# Allegro board SDHCalFEB20180110.brd (continued)
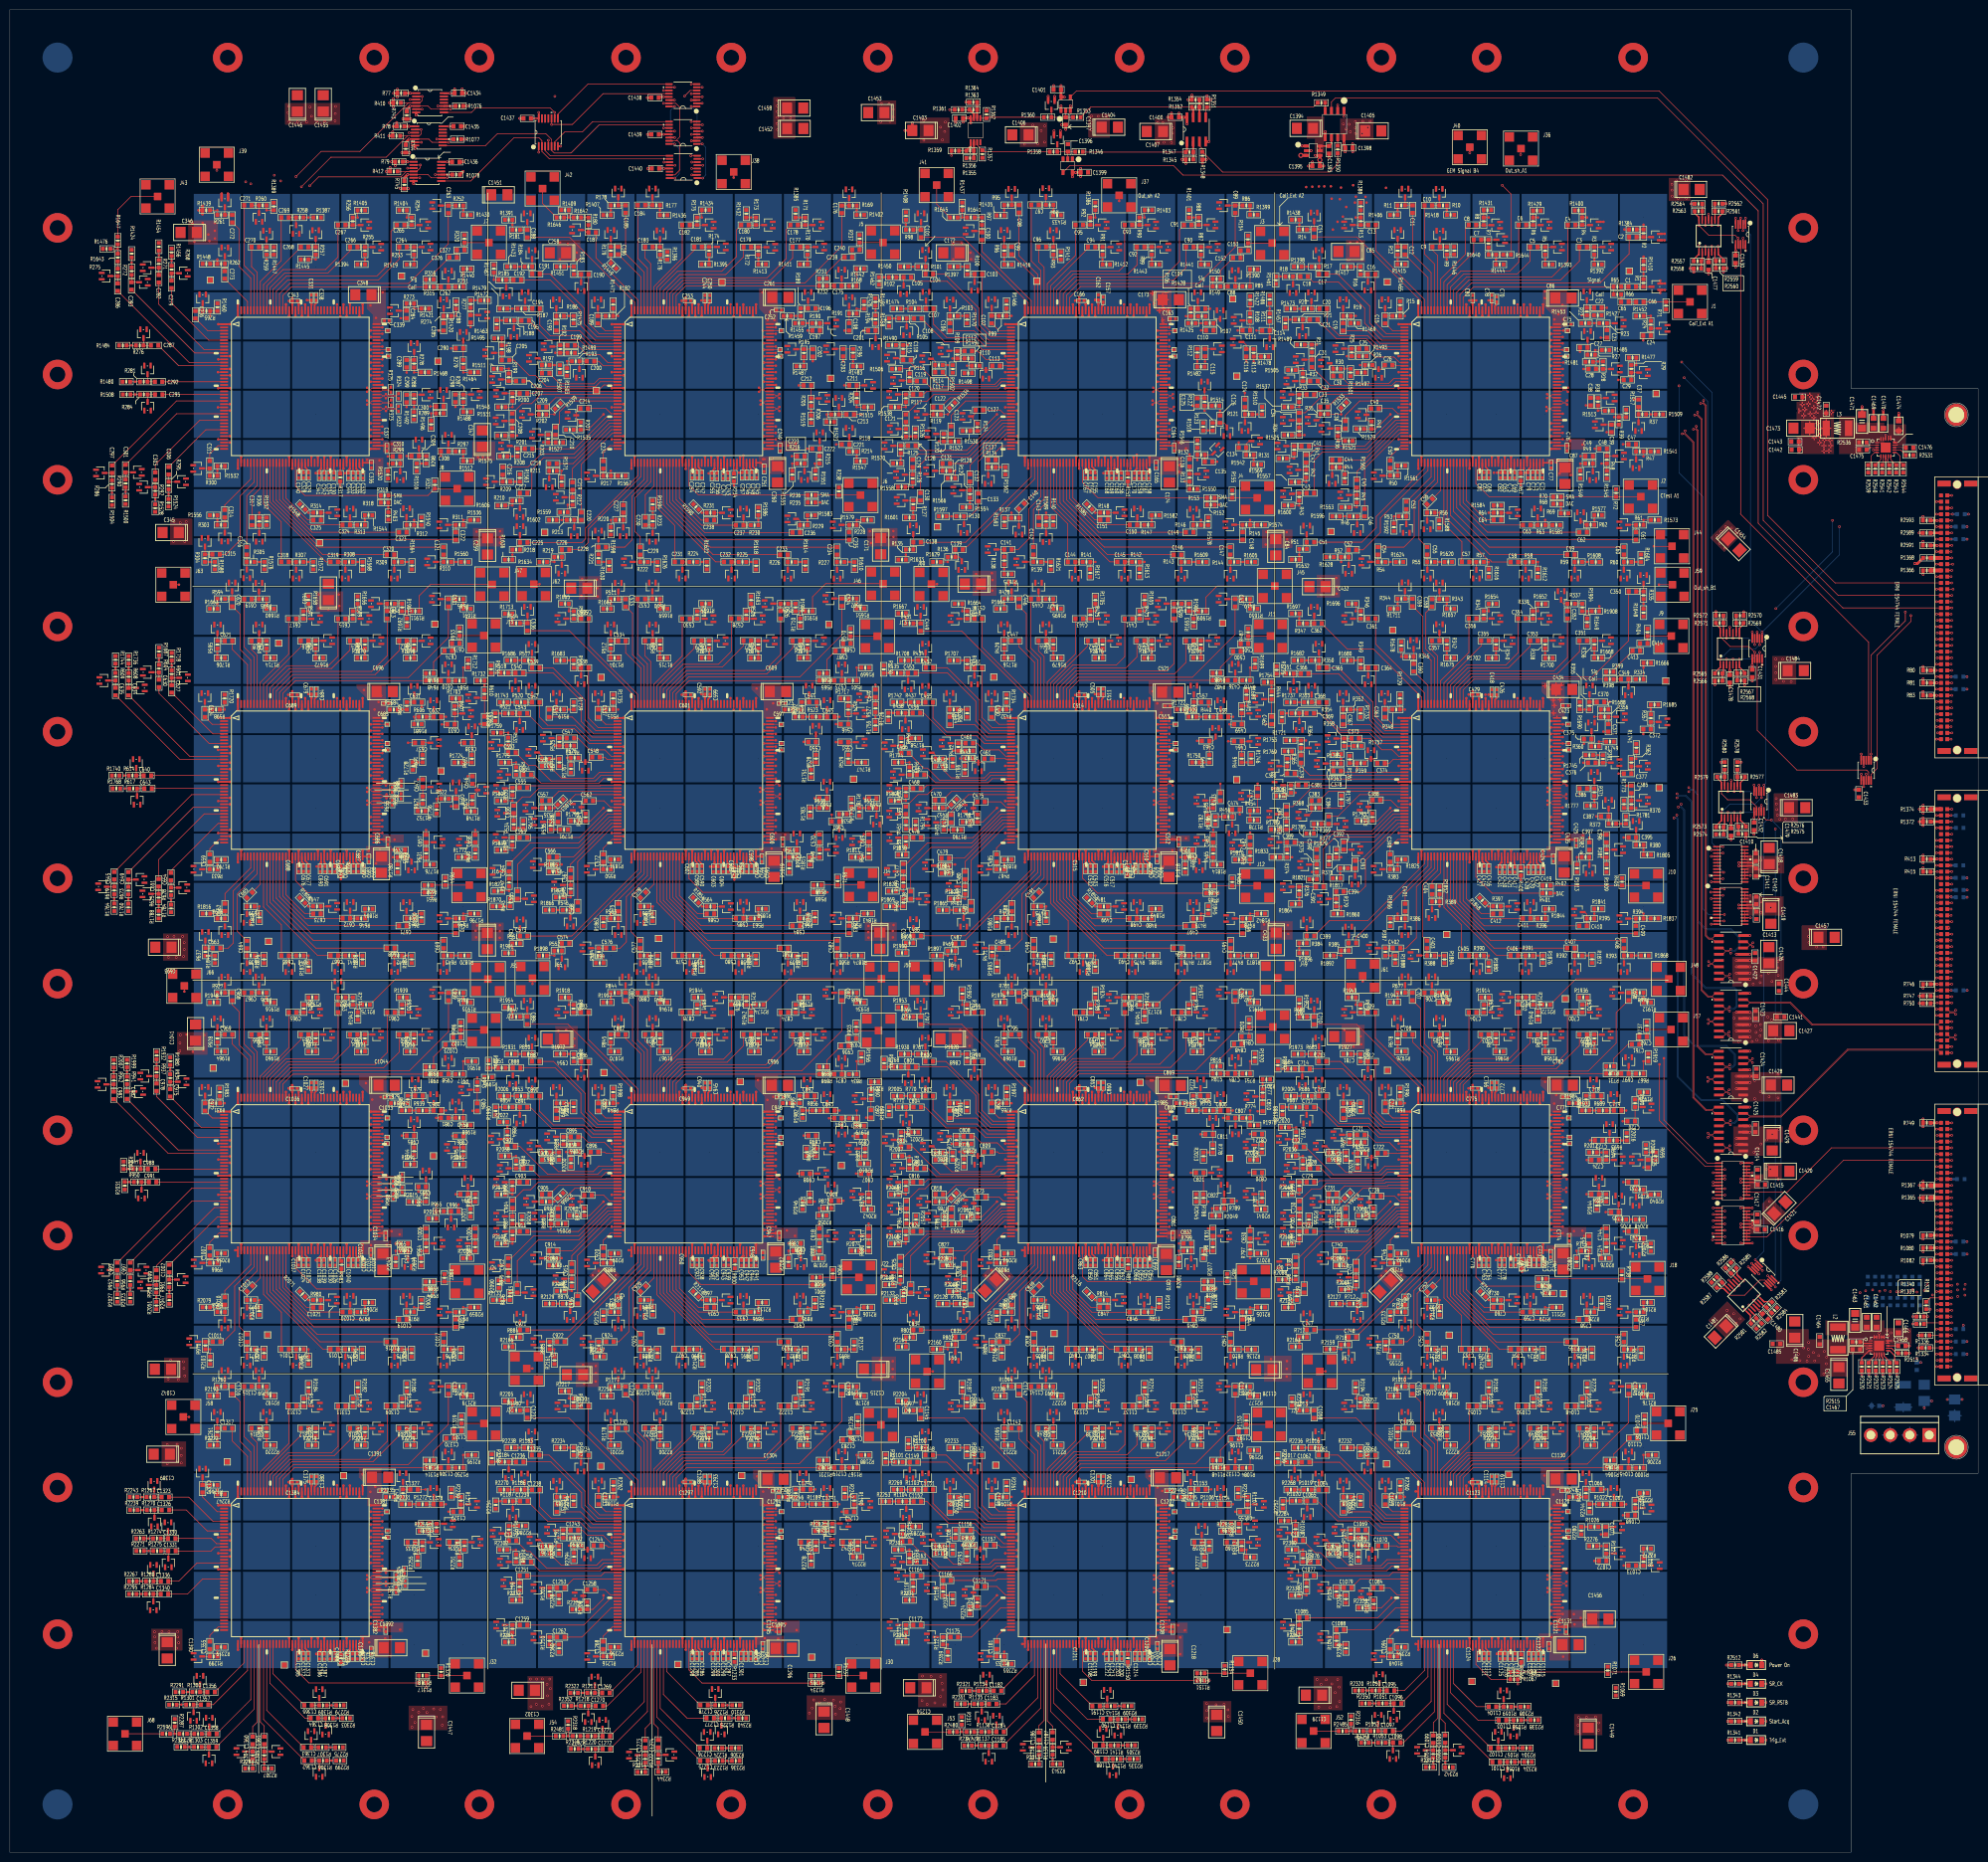
[diagram p0: board, top side]
## Routing (per net, layer and track width the routed paths; a pad name or vN(x,y) marks a point on that pad's centre or on a via; arc(x,y) is an arc through that point) (continued)
ANALOGIN4_ASIC_D1: length 37.8
  TOP w0.127: U845.149 293.57,76.88 296.75,80.06 315.24,80.06 316.74,81.56 C1048.2
ANALOGIN4_ASIC_D2: length 36.5
  TOP w0.127: C1135.2 236.73,83.49 233.45,80.21 217.14,80.21 213.56,76.63 U910.149
ANALOGIN4_ASIC_D3: length 36.6
  TOP w0.127: U975.149 133.55,76.91 136.73,80.09 153.24,80.09 156.74,83.59 C1222.2
ANALOGIN4_ASIC_D4: length 36.4
  TOP w0.127: U1040.149 53.54,76.42 56.95,79.83 73.1,79.83 76.73,83.46 C1309.2
ANALOGIN5_ASIC_A1: length 26
  TOP w0.127: U65.150 292.92,313.35 292.92,318.01 295.58,320.68 306.48,320.68 309.13,323.33 C5.2
ANALOGIN5_ASIC_A2: length 26.1
  TOP w0.127: C92.2 229.18,322.53 227.33,320.68 216.18,320.68 212.91,317.4 U130.150
ANALOGIN5_ASIC_A3: length 25.1
  TOP w0.127: U195.150 132.9,317.3 136.19,320.6 145.57,320.6 149.2,324.23 C179.2
ANALOGIN5_ASIC_A4: length 24.7
  TOP w0.127: C266.2 69.16,325.4 64.72,320.95 55.93,320.95 52.89,317.91 U260.150
ANALOGIN5_ASIC_B1: length 24.5
  TOP w0.127: C353.2 309.17,245.08 304.72,240.64 296.42,240.64 292.92,237.14 U325.150
ANALOGIN5_ASIC_B5: length 25.8
  TOP w0.127: C440.2 229.18,242.9 226.92,240.64 216.43,240.64 212.91,237.11 U390.150
ANALOGIN5_ASIC_B6: length 24
  TOP w0.127: C527.2 149.17,245.14 144.88,240.84 137.36,240.84 132.9,236.38 132.9,233.33 U455.150
ANALOGIN5_ASIC_B7: length 24.6
  TOP w0.127: C614.2 69.16,244.3 65.41,240.54 56.82,240.54 52.89,236.61 U520.150
ANALOGIN5_ASIC_C1: length 24.6
  TOP w0.127: U585.150 292.92,156.75 296.62,160.45 305.18,160.45 309.17,164.44 C701.2
ANALOGIN5_ASIC_C2: length 26.3
  TOP w0.127: C788.2 229.18,162.1 227.76,160.68 216.38,160.68 212.91,157.21 U650.150
ANALOGIN5_ASIC_C3: length 25.4
  TOP w0.127: C875.2 149.17,163.86 145.85,160.53 135.92,160.53 132.9,157.51 U715.150
ANALOGIN5_ASIC_C4: length 25.2
  TOP w0.127: U780.150 52.89,157.13 56.39,160.63 65.94,160.63 69.16,163.86 C962.2
ANALOGIN5_ASIC_D1: length 25.1
  TOP w0.127: U845.150 292.92,77.07 296.52,80.67 305.89,80.67 309.17,83.95 C1049.2
ANALOGIN5_ASIC_D2: length 25.7
  TOP w0.127: C1136.2 229.18,82.78 227.2,80.8 216.79,80.8 212.91,76.92 U910.150
ANALOGIN5_ASIC_D3: length 24.6
  TOP w0.127: C1223.2 149.17,84.76 145.14,80.72 136.55,80.72 132.9,77.07 U975.150
ANALOGIN5_ASIC_D4: length 24.9
  TOP w0.127: U1040.150 52.89,76.66 56.77,80.54 65.94,80.54 69.19,83.79 C1310.2
ANALOGIN6_ASIC_A1: length 29.2
  TOP w0.127: U65.151 292.27,318.53 295.02,321.28 304.98,321.28 306.82,323.13 C6.2
ANALOGIN6_ASIC_A2: length 29
  TOP w0.127: U130.151 212.26,317.74 215.85,321.34 225.55,321.34 226.69,322.48 C93.2
ANALOGIN6_ASIC_A3: length 29.4
  TOP w0.127: C180.2 148.72,330.63 147.75,329.67 147.75,324.26 144.75,321.26 135.74,321.26 132.25,317.77 U195.151
ANALOGIN6_ASIC_A4: length 28.4
  TOP w0.127: U260.151 52.24,318.3 55.55,321.61 64.19,321.61 66.73,324.15 C267.2
ANALOGIN6_ASIC_B1: length 28
  TOP w0.127: C354.2 306.7,243.76 304.17,241.22 296.16,241.22 292.27,237.33 U325.151
ANALOGIN6_ASIC_B5: length 28.5
  TOP w0.127: C441.2 226.72,242.98 224.97,241.22 216.1,241.22 212.26,237.38 U390.151
ANALOGIN6_ASIC_B6: length 27.5
  TOP w0.127: U455.151 132.25,236.77 136.88,241.4 144.07,241.4 146.71,244.04 C528.2
ANALOGIN6_ASIC_B7: length 28.3
  TOP w0.127: U520.151 52.24,237.02 56.34,241.12 64.8,241.12 66.73,243.05 C615.2
ANALOGIN6_ASIC_C1: length 28.3
  TOP w0.127: U585.151 292.27,157.01 296.55,161.29 304.9,161.29 306.75,163.14 C702.2
ANALOGIN6_ASIC_C2: length 28.1
  TOP w0.127: U650.151 212.26,157.37 216.18,161.29 224.28,161.29 226.74,163.75 C789.2
ANALOGIN6_ASIC_C3: length 28.9
  TOP w0.127: U715.151 132.25,157.7 135.69,161.14 145.11,161.14 146.73,162.76 C876.2
ANALOGIN6_ASIC_C4: length 28.9
  TOP w0.127: C963.2 66.75,162.43 65.56,161.24 56.11,161.24 52.24,157.37 U780.151
ANALOGIN6_ASIC_D1: length 28.7
  TOP w0.127: C1050.2 306.76,82.6 305.31,81.15 296.21,81.15 292.27,77.21 U845.151
ANALOGIN6_ASIC_D2: length 28.6
  TOP w0.127: U910.151 212.26,77.26 216.38,81.38 225.3,81.38 226.75,82.83 C1137.2
ANALOGIN6_ASIC_D3: length 28.4
  TOP w0.127: C1224.2 146.74,83.16 144.91,81.33 136.25,81.33 132.25,77.33 U975.151
ANALOGIN6_ASIC_D4: length 28.6
  TOP w0.127: U1040.151 52.24,76.88 56.49,81.13 65.41,81.13 66.75,82.47 C1311.2
ANALOGIN7_ASIC_A1: length 16.8
  TOP w0.127: C7.2 297.68,325.18 291.62,319.13 U65.152
ANALOGIN7_ASIC_A2: length 16
  TOP w0.127: C94.2 219.2,325.88 211.61,318.29 U130.152
ANALOGIN7_ASIC_A3: length 16
  TOP w0.127: U195.152 131.6,317.98 139.19,325.58 C181.2
ANALOGIN7_ASIC_A4: length 16
  TOP w0.127: U260.152 51.59,318.57 59.18,326.16 C268.2
ANALOGIN7_ASIC_B1: length 16
  TOP w0.127: U325.152 291.62,237.59 299.19,245.16 C355.2
ANALOGIN7_ASIC_B5: length 16
  TOP w0.127: U390.152 211.61,237.54 219.18,245.11 C442.2
ANALOGIN7_ASIC_B6: length 16
  TOP w0.127: C529.2 139.14,244.6 131.6,237.06 U455.152
ANALOGIN7_ASIC_B7: length 16
  TOP w0.127: C616.2 59.16,244.91 51.59,237.34 U520.152
ANALOGIN7_ASIC_C1: length 16
  TOP w0.127: U585.152 291.62,157.23 299.16,164.77 C703.2
ANALOGIN7_ASIC_C2: length 16
  TOP w0.127: C790.2 219.18,165.07 211.61,157.51 U650.152
ANALOGIN7_ASIC_C3: length 16
  TOP w0.127: U715.152 131.6,157.89 139.17,165.46 C877.2
ANALOGIN7_ASIC_C4: length 16
  TOP w0.127: C964.2 59.18,165.13 51.59,157.53 U780.152
ANALOGIN7_ASIC_D1: length 16
  TOP w0.127: C1051.2 299.19,84.99 291.62,77.42 U845.152
ANALOGIN7_ASIC_D2: length 16
  TOP w0.127: U910.152 211.61,77.6 219.18,85.17 C1138.2
ANALOGIN7_ASIC_D3: length 16
  TOP w0.127: U975.152 131.6,77.57 139.17,85.14 C1225.2
ANALOGIN7_ASIC_D4: length 16
  TOP w0.127: U1040.152 51.59,77.09 59.18,84.68 C1312.2
ANALOGIN8_ASIC_A1: length 19.7
  TOP w0.127: C8.2 295.99,330.01 295.99,324.74 290.97,319.72 U65.153
ANALOGIN8_ASIC_A2: length 19.7
  TOP w0.127: U130.153 210.96,318.75 216.71,324.51 C95.2
ANALOGIN8_ASIC_A3: length 19.7
  TOP w0.127: C182.2 136.73,323.9 130.95,318.12 U195.153
ANALOGIN8_ASIC_A4: length 20.6
  TOP w0.127: U260.153 50.94,319.19 55.19,323.44 C269.2
ANALOGIN8_ASIC_B1: length 19.7
  TOP w0.127: C356.2 296.7,243.81 290.97,238.09 U325.153
ANALOGIN8_ASIC_B5: length 19.7
  TOP w0.127: U390.153 210.96,237.78 216.69,243.51 C443.2
ANALOGIN8_ASIC_B6: length 19.7
  TOP w0.127: C530.2 136.73,243.1 130.95,237.32 U455.153
ANALOGIN8_ASIC_B7: length 19.7
  TOP w0.127: U520.153 50.94,237.7 56.69,243.46 C617.2
ANALOGIN8_ASIC_C1: length 19.7
  TOP w0.127: U585.153 290.97,157.39 296.7,163.12 C704.2
ANALOGIN8_ASIC_C2: length 19.8
  TOP w0.127: C791.2 216.76,163.53 210.96,157.72 U650.153
ANALOGIN8_ASIC_C3: length 19.8
  TOP w0.127: C878.2 136.73,163.88 130.95,158.1 U715.153
ANALOGIN8_ASIC_C4: length 19.7
  TOP w0.127: C965.2 56.74,163.5 50.94,157.69 U780.153
ANALOGIN8_ASIC_D1: length 19.7
  TOP w0.127: C1052.2 296.75,83.52 290.97,77.74 U845.153
ANALOGIN8_ASIC_D2: length 19.8
  TOP w0.127: U910.153 210.96,77.86 216.74,83.64 C1139.2
ANALOGIN8_ASIC_D3: length 19.8
  TOP w0.127: C1226.2 136.73,83.62 130.95,77.84 U975.153
ANALOGIN8_ASIC_D4: length 19.8
  TOP w0.127: U1040.153 50.94,77.25 56.74,83.06 C1313.2
ANALOGIN9_ASIC_A1: length 13.3
  TOP w0.127: C9.2 289.27,325.59 290.32,324.54 U65.154
ANALOGIN9_ASIC_A2: length 13.3
  TOP w0.127: C96.2 209.19,323.19 210.31,322.08 U130.154
ANALOGIN9_ASIC_A3: length 13.3
  TOP w0.127: U195.154 130.3,322.81 129.18,323.93 C183.2
ANALOGIN9_ASIC_A4: length 13.3
  TOP w0.127: C270.2 49.15,322.2 50.29,321.06 U260.154
ANALOGIN9_ASIC_B1: length 13.3
  TOP w0.127: C357.2 289.18,244.27 290.32,243.13 U325.154
ANALOGIN9_ASIC_B5: length 13.3
  TOP w0.127: U390.154 210.31,242.98 209.17,244.12 C444.2
ANALOGIN9_ASIC_B6: length 13.3
  TOP w0.127: U455.154 130.3,241.97 129.18,243.08 C531.2
ANALOGIN9_ASIC_B7: length 13.3
  TOP w0.127: U520.154 50.29,243.26 49.17,244.37 C618.2
ANALOGIN9_ASIC_C1: length 13.3
  TOP w0.127: C705.2 289.18,163.88 290.32,162.74 U585.154
ANALOGIN9_ASIC_C2: length 13.3
  TOP w0.127: U650.154 210.31,163.5 209.17,164.64 C792.2
ANALOGIN9_ASIC_C3: length 13.3
  TOP w0.127: C879.2 129.18,164.77 130.3,163.66 U715.154
ANALOGIN9_ASIC_C4: length 13.3
  TOP w0.127: C966.2 49.17,163.75 50.29,162.64 U780.154
ANALOGIN9_ASIC_D1: length 13.3
  TOP w0.127: U845.154 290.32,83.54 289.18,84.68 C1053.2
ANALOGIN9_ASIC_D2: length 13.3
  TOP w0.127: C1140.2 209.17,84.58 210.31,83.44 U910.154
ANALOGIN9_ASIC_D3: length 13.3
  TOP w0.127: C1227.2 129.18,84.84 130.3,83.72 U975.154
ANALOGIN9_ASIC_D4: length 13.3
  TOP w0.127: C1314.2 49.17,84.34 50.29,83.21 U1040.154
ANALOGIN10_ASIC_A1: length 22.1
  TOP w0.127: C10.2 287.67,324.78 289.67,322.78 U65.155
ANALOGIN10_ASIC_A2: length 22.2
  TOP w0.127: C97.2 207.7,323.37 209.66,321.41 U130.155
ANALOGIN10_ASIC_A3: length 22.2
  TOP w0.127: C184.2 127.69,323.88 129.65,321.92 U195.155
ANALOGIN10_ASIC_A4: length 22.2
  TOP w0.127: C271.2 47.65,322.45 49.64,320.47 U260.155
ANALOGIN10_ASIC_B1: length 21
  TOP w0.127: U325.155 289.67,242.74 287.93,244.47 287.93,251.9 289.16,253.12 C358.2
ANALOGIN10_ASIC_B5: length 22.2
  TOP w0.127: C445.2 207.65,244.68 209.66,242.67 U390.155
ANALOGIN10_ASIC_B6: length 22.2
  TOP w0.127: C532.2 127.66,243.46 129.65,241.47 U455.155
ANALOGIN10_ASIC_B7: length 22.1
  TOP w0.127: U520.155 49.64,242.9 47.65,244.88 C619.2
ANALOGIN10_ASIC_C1: length 22.2
  TOP w0.127: U585.155 289.67,162.27 287.65,164.29 C706.2
ANALOGIN10_ASIC_C2: length 22.2
  TOP w0.127: C793.2 207.67,165.15 209.66,163.16 U650.155
ANALOGIN10_ASIC_C3: length 22.2
  TOP w0.127: C880.2 127.66,165 129.65,163.01 U715.155
ANALOGIN10_ASIC_C4: length 22.2
  TOP w0.127: C967.2 47.65,164.21 49.64,162.22 U780.155
ANALOGIN10_ASIC_D1: length 22.1
  TOP w0.127: U845.155 289.67,82.95 287.65,84.96 C1054.2
ANALOGIN10_ASIC_D2: length 22.2
  TOP w0.127: U910.155 209.66,82.64 207.67,84.63 C1141.2
ANALOGIN10_ASIC_D3: length 22.2
  TOP w0.127: U975.155 129.65,83.48 127.66,85.47 C1228.2
ANALOGIN10_ASIC_D4: length 22.2
  TOP w0.127: U1040.155 49.64,82.44 47.65,84.43 C1315.2
ANALOGIN11_ASIC_A1: length 21.4
  TOP w0.127: U65.156 289.02,320.99 285.25,324.76 C11.2
ANALOGIN11_ASIC_A2: length 21.4
  TOP w0.127: C98.2 205.22,324.42 209.01,320.63 U130.156
ANALOGIN11_ASIC_A3: length 21.4
  TOP w0.127: C185.2 125.21,324.85 129,321.07 U195.156
ANALOGIN11_ASIC_A4: length 19.4
  TOP w0.127: U260.156 48.99,319.87 46.58,322.28 46.58,329.87 45.26,331.19 C272.2
ANALOGIN11_ASIC_B1: length 21.5
  TOP w0.127: U325.156 289.02,242.2 287.32,243.89 287.32,251.11 285.25,253.19 C359.2
ANALOGIN11_ASIC_B5: length 21.4
  TOP w0.127: C446.2 205.24,253.16 206.71,251.7 206.71,244.58 209.01,242.27 U390.156
ANALOGIN11_ASIC_B6: length 21.4
  TOP w0.127: U455.156 129,240.98 126.62,243.36 126.62,251.75 125.26,253.11 C533.2
ANALOGIN11_ASIC_B7: length 21.4
  TOP w0.127: U520.156 48.99,242.25 46.84,244.4 46.84,251.57 45.25,253.16 C620.2
ANALOGIN11_ASIC_C1: length 21.4
  TOP w0.127: U585.156 289.02,161.81 286.84,163.98 286.84,171.5 C707.2
ANALOGIN11_ASIC_C2: length 21.4
  TOP w0.127: C794.2 205.24,173.13 207.09,171.28 207.09,164.72 209.01,162.8 U650.156
ANALOGIN11_ASIC_C3: length 21.4
  TOP w0.127: C881.2 125.25,173.13 126.62,171.77 126.62,164.95 129,162.57 U715.156
ANALOGIN11_ASIC_C4: length 21.3
  TOP w0.127: C968.2 45.23,172.19 46.66,170.76 46.66,164.03 48.99,161.71 U780.156
ANALOGIN11_ASIC_D1: length 21.4
  TOP w0.127: U845.156 289.02,82.2 286.94,84.28 286.94,91.42 285.25,93.12 C1055.2
ANALOGIN11_ASIC_D2: length 21.4
  TOP w0.127: C1142.2 205.24,93.12 206.86,91.5 206.86,83.67 209.01,81.52 U910.156
ANALOGIN11_ASIC_D3: length 21.4
  TOP w0.127: U975.156 129,83.19 126.95,85.24 126.95,91.4 125.26,93.09 C1229.2
ANALOGIN11_ASIC_D4: length 21.4
  TOP w0.127: U1040.156 48.99,81.31 46.79,83.52 46.79,91.58 45.25,93.12 C1316.2
ANALOGIN12_ASIC_A1: length 13.3
  TOP w0.127: U65.157 288.37,319.99 C12.2
ANALOGIN12_ASIC_A2: length 13.3
  TOP w0.127: U130.157 208.36,320.08 C99.2
ANALOGIN12_ASIC_A3: length 13.3
  TOP w0.127: U195.157 128.35,320.09 123.72,324.71 C186.2
ANALOGIN12_ASIC_A4: length 8.3
  TOP w0.127: U260.157 48.34,315.12 C273.2
ANALOGIN12_ASIC_B1: length 7.8
  TOP w0.127: C360.2 285.5,239.95 288.37,237.09 U325.157
ANALOGIN12_ASIC_B5: length 14.2
  TOP w0.127: U390.157 208.36,241.78 205.23,244.91 C447.2
ANALOGIN12_ASIC_B6: length 14.1
  TOP w0.127: U455.157 128.35,240.61 125.22,243.74 C534.2
ANALOGIN12_ASIC_B7: length 14.1
  TOP w0.127: C621.2 45.24,244.42 48.34,241.32 U520.157
ANALOGIN12_ASIC_C1: length 14.1
  TOP w0.127: U585.157 288.37,161.52 285.24,164.64 C708.2
ANALOGIN12_ASIC_C2: length 14.1
  TOP w0.127: C795.2 205.23,165.33 208.36,162.2 U650.157
ANALOGIN12_ASIC_C3: length 14.1
  TOP w0.127: U715.157 128.35,162.23 125.22,165.35 C882.2
ANALOGIN12_ASIC_C4: length 14.1
  TOP w0.127: C969.2 45.24,164.24 48.34,161.14 U780.157
ANALOGIN12_ASIC_D1: length 14.1
  TOP w0.127: C1056.2 285.22,84.61 288.37,81.45 U845.157
ANALOGIN12_ASIC_D2: length 14.1
  TOP w0.127: C1143.2 205.23,83.97 208.36,80.85 U910.157
ANALOGIN12_ASIC_D3: length 14.1
  TOP w0.127: U975.157 128.35,82.22 125.22,85.34 C1230.2
ANALOGIN12_ASIC_D4: length 14.1
  TOP w0.127: U1040.157 48.34,80.44 45.21,83.57 C1317.2
ANALOGIN13_ASIC_A1: length 21.5
  TOP w0.127: U65.158 287.72,315.48 277.76,325.44 C13.2
ANALOGIN13_ASIC_A2: length 18.5
  TOP w0.127: U130.158 207.71,315.28 197.68,325.31 C100.2
ANALOGIN13_ASIC_A3: length 19.4
  TOP w0.127: C187.2 119.18,324 127.7,315.48 U195.158
ANALOGIN13_ASIC_B1: length 21.5
  TOP w0.127: C361.2 277.72,245.52 287.72,235.52 U325.158
ANALOGIN13_ASIC_B5: length 21.5
  TOP w0.127: U390.158 207.71,234.89 197.69,244.91 C448.2
ANALOGIN13_ASIC_B6: length 21.5
  TOP w0.127: U455.158 127.7,235.27 117.7,245.26 C535.2
ANALOGIN13_ASIC_C1: length 21.5
  TOP w0.127: U585.158 287.72,155.41 277.67,165.46 C709.2
ANALOGIN13_ASIC_C2: length 21.5
  TOP w0.127: U650.158 207.71,155.31 197.66,165.35 C796.2
ANALOGIN13_ASIC_C3: length 21.5
  TOP w0.127: U715.158 127.7,155.11 117.65,165.15 C883.2
ANALOGIN13_ASIC_D1: length 21.5
  TOP w0.127: U845.158 287.72,75.07 277.65,85.14 C1057.2
ANALOGIN13_ASIC_D2: length 21.5
  TOP w0.127: U910.158 207.71,75.63 197.66,85.67 C1144.2
ANALOGIN13_ASIC_D3: length 21.5
  TOP w0.127: U975.158 127.7,75.6 117.65,85.65 C1231.2
ANALOGIN14_ASIC_A1: length 29
  TOP w0.127: U65.159 287.07,315.09 273.9,328.26 C14.2
ANALOGIN14_ASIC_A2: length 28.8
  TOP w0.127: C101.2 193.8,328.17 207.06,314.91 U130.159
ANALOGIN14_ASIC_A3: length 28.9
  TOP w0.127: U195.159 127.05,314.96 113.87,328.14 C188.2
ANALOGIN14_ASIC_B1: length 27.9
  TOP w0.127: C362.2 271.93,244.53 277.27,244.53 287.07,234.72 U325.159
ANALOGIN14_ASIC_B5: length 28.8
  TOP w0.127: U390.159 207.06,234.65 193.52,248.18 C449.2
ANALOGIN14_ASIC_B6: length 28.9
  TOP w0.127: C536.2 113.77,248.23 127.05,234.95 U455.159
ANALOGIN14_ASIC_C1: length 29
  TOP w0.127: U585.159 287.07,155.04 273.89,168.22 C710.2
ANALOGIN14_ASIC_C2: length 28.8
  TOP w0.127: C797.2 193.57,168.22 207.06,154.74 U650.159
ANALOGIN14_ASIC_C3: length 28.8
  TOP w0.127: U715.159 127.05,154.69 113.49,168.25 C884.2
ANALOGIN14_ASIC_D1: length 29
  TOP w0.127: C1058.2 273.76,88.24 287.07,74.93 U845.159
ANALOGIN14_ASIC_D2: length 29.1
  TOP w0.127: C1145.2 194.03,88.24 207.06,75.21 U910.159
ANALOGIN14_ASIC_D3: length 28.9
  TOP w0.127: C1232.2 113.64,88.27 127.05,74.86 U975.159
ANALOGIN15_ASIC_A1: length 4.5
  TOP w0.127: C15.2 279.7,310.68 281.16,309.22 U65.3
ANALOGIN15_ASIC_A2: length 4.5
  TOP w0.127: U130.3 201.13,309.22 C102.2
ANALOGIN15_ASIC_A3: length 4.6
  TOP w0.127: C189.2 121.02,309.22 U195.3
ANALOGIN15_ASIC_A4: length 6.9
  TOP w0.127: C276.2 40.19,309.22 U260.3
ANALOGIN15_ASIC_B1: length 4.6
  TOP w0.127: C363.2 279.66,230.68 281.14,229.21 U325.3
ANALOGIN15_ASIC_B5: length 4.6
  TOP w0.127: C450.2 201.11,229.21 U390.3
ANALOGIN15_ASIC_B6: length 4.5
  TOP w0.127: U455.3 121.15,229.21 C537.2
ANALOGIN15_ASIC_B7: length 4.5
  TOP w0.127: C624.2 41.14,229.21 U520.3
ANALOGIN15_ASIC_C1: length 4.5
  TOP w0.127: C711.2 281.17,149.2 U585.3
ANALOGIN15_ASIC_C2: length 4.5
  TOP w0.127: C798.2 201.14,149.2 U650.3
ANALOGIN15_ASIC_C3: length 4.5
  TOP w0.127: U715.3 121.15,149.2 C885.2
ANALOGIN15_ASIC_C4: length 4.5
  TOP w0.127: U780.3 41.17,149.2 C972.2
ANALOGIN15_ASIC_D1: length 4.5
  TOP w0.127: U845.3 281.17,69.19 C1059.2
ANALOGIN15_ASIC_D2: length 4.5
  TOP w0.127: U910.3 201.16,69.19 C1146.2
ANALOGIN15_ASIC_D3: length 4.5
  TOP w0.127: C1233.2 121.21,69.19 U975.3
ANALOGIN15_ASIC_D4: length 6.5
  TOP w0.127: U1040.3 42.16,69.19 39.19,72.17 C1320.2
ANALOGIN16_ASIC_A1: length 16.7
  TOP w0.127: U65.4 279.92,308.57 277.66,310.83 C16.2
ANALOGIN16_ASIC_A2: length 16.7
  TOP w0.127: U130.4 199.84,308.57 197.71,310.69 C103.2
ANALOGIN16_ASIC_A3: length 16.7
  TOP w0.127: U195.4 119.83,308.57 117.68,310.72 C190.2
ANALOGIN16_ASIC_B1: length 16.7
  TOP w0.127: C364.2 277.74,230.75 279.92,228.56 U325.4
ANALOGIN16_ASIC_B5: length 16.8
  TOP w0.127: C451.2 197.69,230.58 199.71,228.56 U390.4
ANALOGIN16_ASIC_B6: length 16.9
  TOP w0.127: U455.4 119.6,228.56 117.68,230.48 C538.2
ANALOGIN16_ASIC_C1: length 16.8
  TOP w0.127: U585.4 279.8,148.55 277.67,150.67 C712.2
ANALOGIN16_ASIC_C2: length 16.7
  TOP w0.127: U650.4 199.89,148.55 197.66,150.77 C799.2
ANALOGIN16_ASIC_C3: length 16.8
  TOP w0.127: C886.2 117.68,150.65 119.78,148.55 U715.4
ANALOGIN16_ASIC_D1: length 16.7
  TOP w0.127: C1060.2 277.65,70.82 279.92,68.54 U845.4
ANALOGIN16_ASIC_D2: length 16.9
  TOP w0.127: C1147.2 197.66,70.51 199.63,68.54 U910.4
ANALOGIN16_ASIC_D3: length 16.7
  TOP w0.127: U975.4 119.93,68.54 117.65,70.82 C1234.2
ANALOGIN17_ASIC_A1: length 23.2
  TOP w0.127: C17.2 270,320.7 276.5,314.2 276.5,310.77 279.35,307.92 U65.5
ANALOGIN17_ASIC_A2: length 23.2
  TOP w0.127: C104.2 190.13,320.71 197.08,313.77 197.08,310.34 199.5,307.92 U130.5
ANALOGIN17_ASIC_A3: length 23
  TOP w0.127: C191.2 109.82,320.74 116.79,313.77 116.79,310.57 119.44,307.92 U195.5
ANALOGIN17_ASIC_B1: length 23.1
  TOP w0.127: U325.5 279.63,227.91 277.14,230.4 277.14,233.73 270.16,240.71 C365.2
ANALOGIN17_ASIC_B5: length 23.5
  TOP w0.127: U390.5 199.4,227.91 197.18,230.12 197.18,234.14 190.61,240.71 C452.2
ANALOGIN17_ASIC_B6: length 23.5
  TOP w0.127: U455.5 119.16,227.91 117.04,230.02 117.04,234.09 110.44,240.69 C539.2
ANALOGIN17_ASIC_C1: length 23.5
  TOP w0.127: U585.5 279.43,147.9 276.99,150.34 276.99,154.28 270.56,160.7 C713.2
ANALOGIN17_ASIC_C2: length 23.2
  TOP w0.127: U650.5 199.65,147.9 197,150.55 197,154.03 190.33,160.7 C800.2
ANALOGIN17_ASIC_C3: length 23.4
  TOP w0.127: U715.5 119.54,147.9 117.02,150.42 117.02,154.2 110.52,160.7 C887.2
ANALOGIN17_ASIC_D1: length 23.1
  TOP w0.127: C1061.2 270.11,80.69 277.01,73.79 277.01,70.56 279.68,67.89 U845.5
ANALOGIN17_ASIC_D2: length 23.5
  TOP w0.127: C1148.2 190.43,80.69 196.93,74.19 196.93,70.23 199.27,67.89 U910.5
ANALOGIN17_ASIC_D3: length 22.9
  TOP w0.127: C1235.2 109.66,80.69 116.94,73.41 116.94,70.51 119.56,67.89 U975.5
ANALOGIN18_ASIC_A1: length 26.8
  TOP w0.127: C18.2 263.94,320.17 265.01,319.1 270.15,319.1 275.49,313.77 275.49,310.72 278.94,307.27 U65.6
ANALOGIN18_ASIC_A2: length 27.7
  TOP w0.127: U130.6 199.05,307.27 196.39,309.93 196.39,313.44 190.6,319.23 184.05,319.23 183.26,320.01 C105.2
ANALOGIN18_ASIC_A3: length 26.5
  TOP w0.127: U195.6 122.58,307.27 122.57,307.26 119.02,307.26 116.08,310.21 116.08,313.31 109.87,319.52 C192.2
ANALOGIN18_ASIC_A4: length 16.8
  TOP w0.127: U260.6 40.43,307.27 32.88,314.82 C279.2
ANALOGIN18_ASIC_B1: length 26.4
  TOP w0.127: U325.6 279.34,227.26 276.5,230.1 276.5,233.17 270.18,239.49 C366.2
ANALOGIN18_ASIC_B5: length 26.9
  TOP w0.127: U390.6 199.03,227.26 196.42,229.87 196.42,233.88 190.68,239.62 C453.2
ANALOGIN18_ASIC_B6: length 26.8
  TOP w0.127: U455.6 118.71,227.26 116.15,229.82 116.15,233.98 110.49,239.64 C540.2
ANALOGIN18_ASIC_B7: length 14.1
  TOP w0.127: U520.6 41.29,227.26 C627.2
ANALOGIN18_ASIC_C1: length 26.4
  TOP w0.127: U585.6 279.22,147.25 276.33,150.14 276.33,153.92 271.07,159.18 C714.2
ANALOGIN18_ASIC_C2: length 26.6
  TOP w0.127: U650.6 199.38,147.25 196.42,150.22 196.42,153.8 190.63,159.58 C801.2
ANALOGIN18_ASIC_C3: length 27.1
  TOP w0.127: C888.2 110.93,159.38 116.13,154.18 116.13,150.32 119.2,147.25 U715.6
ANALOGIN18_ASIC_C4: length 13.6
  TOP w0.127: U780.6 38.94,147.25 32.65,153.54 C975.2
ANALOGIN18_ASIC_D1: length 26.1
  TOP w0.127: U845.6 279.45,67.24 276.53,70.15 276.53,73.15 270.44,79.24 C1062.2
ANALOGIN18_ASIC_D2: length 26.2
  TOP w0.127: U910.6 198.85,67.24 196.19,69.9 196.19,73.61 190.53,79.27 C1149.2
ANALOGIN18_ASIC_D3: length 25.8
  TOP w0.127: U975.6 119.17,67.24 116.28,70.13 116.28,73.05 110.02,79.31 C1236.2
ANALOGIN18_ASIC_D4: length 13.2
  TOP w0.127: U1040.6 41.29,67.24 36.39,72.15 C1323.2
ANALOGIN19_ASIC_A1: length 13.5
  TOP w0.127: C19.2 276.03,309.21 278.62,306.62 U65.7
ANALOGIN19_ASIC_A2: length 13.5
  TOP w0.127: U130.7 198.64,306.62 196.06,309.19 C106.2
ANALOGIN19_ASIC_A3: length 13.5
  TOP w0.127: U195.7 118.47,306.62 115.87,309.22 C193.2
ANALOGIN19_ASIC_B1: length 13.5
  TOP w0.127: C367.2 276.56,229.18 279.13,226.61 U325.7
ANALOGIN19_ASIC_B5: length 13.5
  TOP w0.127: U390.7 198.74,226.61 196.16,229.18 C454.2
ANALOGIN19_ASIC_B6: length 15.6
  TOP w0.127: U455.7 118.42,226.61 114.35,230.68 C541.2
ANALOGIN19_ASIC_C1: length 13.5
  TOP w0.127: U585.7 278.9,146.6 276.33,149.17 C715.2
ANALOGIN19_ASIC_C2: length 13.5
  TOP w0.127: C802.2 196.55,149.17 199.12,146.6 U650.7
ANALOGIN19_ASIC_C3: length 13.5
  TOP w0.127: C889.2 116.36,149.17 118.93,146.6 U715.7
ANALOGIN19_ASIC_D1: length 13.5
  TOP w0.127: U845.7 279.16,66.59 276.58,69.16 C1063.2
ANALOGIN19_ASIC_D2: length 13.4
  TOP w0.127: U910.7 198.51,66.59 195.94,69.16 C1150.2
ANALOGIN19_ASIC_D3: length 13.4
  TOP w0.127: U975.7 118.6,66.59 116.04,69.16 C1237.2
ANALOGIN20_ASIC_A1: length 20.7
  TOP w0.127: U65.8 278.31,305.97 276.12,308.15 270.38,308.15 267.83,310.71 C20.2
ANALOGIN20_ASIC_A2: length 20.8
  TOP w0.127: C107.2 187.83,310.49 190.5,307.82 196.52,307.82 198.37,305.97 U130.8
ANALOGIN20_ASIC_A3: length 21
  TOP w0.127: C194.2 107.77,310.31 109.96,308.13 115.98,308.13 118.13,305.97 U195.8
ANALOGIN20_ASIC_B1: length 20.7
  TOP w0.127: C368.2 267.74,230.86 270.59,228.02 276.89,228.02 278.94,225.96 U325.8
ANALOGIN20_ASIC_B5: length 20.9
  TOP w0.127: U390.8 198.5,225.96 196.82,227.63 190.55,227.63 187.71,230.48 C455.2
ANALOGIN20_ASIC_B6: length 20.8
  TOP w0.127: U455.8 117.98,225.96 114.94,229.01 109.37,229.01 107.72,230.66 C542.2
ANALOGIN20_ASIC_C1: length 20.8
  TOP w0.127: C716.2 267.72,150.65 270.31,148.06 276.5,148.06 278.61,145.95 U585.8
ANALOGIN20_ASIC_C2: length 20.7
  TOP w0.127: C803.2 187.71,150.88 190.6,147.98 196.67,147.98 198.7,145.95 U650.8
ANALOGIN20_ASIC_C3: length 20.9
  TOP w0.127: C890.2 107.72,150.57 110.52,147.78 116.81,147.78 118.64,145.95 U715.8
ANALOGIN20_ASIC_D1: length 20.8
  TOP w0.127: U845.8 278.76,65.94 276.66,68.05 270.38,68.05 267.7,70.73 C1064.2
ANALOGIN20_ASIC_D2: length 20.7
  TOP w0.127: U910.8 198.07,65.94 196.32,67.69 190.91,67.69 187.71,70.88 C1151.2
ANALOGIN20_ASIC_D3: length 21.1
  TOP w0.127: U975.8 118.11,65.94 116.15,67.89 110.06,67.89 107.7,70.25 C1238.2
ANALOGIN21_ASIC_A1: length 20.3
  TOP w0.127: C21.2 265.9,311.41 269.76,307.54 275.84,307.54 278.07,305.32 U65.9
ANALOGIN21_ASIC_A2: length 20.8
  TOP w0.127: U130.9 197.78,305.32 196.16,306.93 190.09,306.93 185.39,311.63 C108.2
ANALOGIN21_ASIC_A3: length 20.5
  TOP w0.127: U195.9 117.87,305.32 115.77,307.42 109.41,307.42 C195.2
ANALOGIN21_ASIC_A4: length 21.5
  TOP w0.127: C282.2 30.29,314.57 39.54,305.32 U260.9
ANALOGIN21_ASIC_B1: length 20.9
  TOP w0.127: C369.2 266.45,231.44 270.41,227.48 276.43,227.48 278.6,225.31 U325.9
ANALOGIN21_ASIC_B5: length 21
  TOP w0.127: U390.9 198.16,225.31 196.6,226.87 190.47,226.87 185.83,231.52 C456.2
ANALOGIN21_ASIC_B6: length 20.9
  TOP w0.127: U455.9 117.79,225.31 114.76,228.35 108.28,228.35 C543.2
ANALOGIN21_ASIC_B7: length 18.7
  TOP w0.127: C630.2 30.32,235.51 40.53,225.31 U520.9
ANALOGIN21_ASIC_C1: length 20.9
  TOP w0.127: U585.9 278.32,145.3 276.15,147.47 270.03,147.47 266.09,151.41 C717.2
ANALOGIN21_ASIC_C2: length 20.8
  TOP w0.127: U650.9 198.34,145.3 196.44,147.19 190.35,147.19 186.14,151.41 C804.2
ANALOGIN21_ASIC_C3: length 20.9
  TOP w0.127: C891.2 105.85,151.38 110.19,147.04 116.51,147.04 118.25,145.3 U715.9
ANALOGIN21_ASIC_C4: length 18.3
  TOP w0.127: U780.9 38.09,145.3 29.84,153.55 C978.2
ANALOGIN21_ASIC_D1: length 20.8
  TOP w0.127: C1065.2 265.91,71.39 269.99,67.31 276.3,67.31 278.32,65.29 U845.9
ANALOGIN21_ASIC_D2: length 20.8
  TOP w0.127: C1152.2 186.5,71.26 190.93,66.83 196.14,66.83 197.68,65.29 U910.9
ANALOGIN21_ASIC_D3: length 20.8
  TOP w0.127: C1239.2 105.29,71.3 109.36,67.23 115.77,67.23 117.72,65.29 U975.9
ANALOGIN21_ASIC_D4: length 12.9
  TOP w0.127: C1326.2 35.88,69.53 40.12,65.29 U1040.9
ANALOGIN22_ASIC_A1: length 47.5
  TOP w0.127: C22.2 v1(324.73,313.85) ; v1(284.77,304.67) U65.10
  GND1 w0.127: v1(284.77,304.67) v2(285.51,304.67) ; v1(324.73,313.85) v2(325.47,313.85)
  SIG3 w0.127: v2(325.47,313.85) 322.05,313.85 318.69,310.49 291.33,310.49 v2(285.51,304.67)